# KiCad board FetsAndCrosses.kicad_pcb (continued)
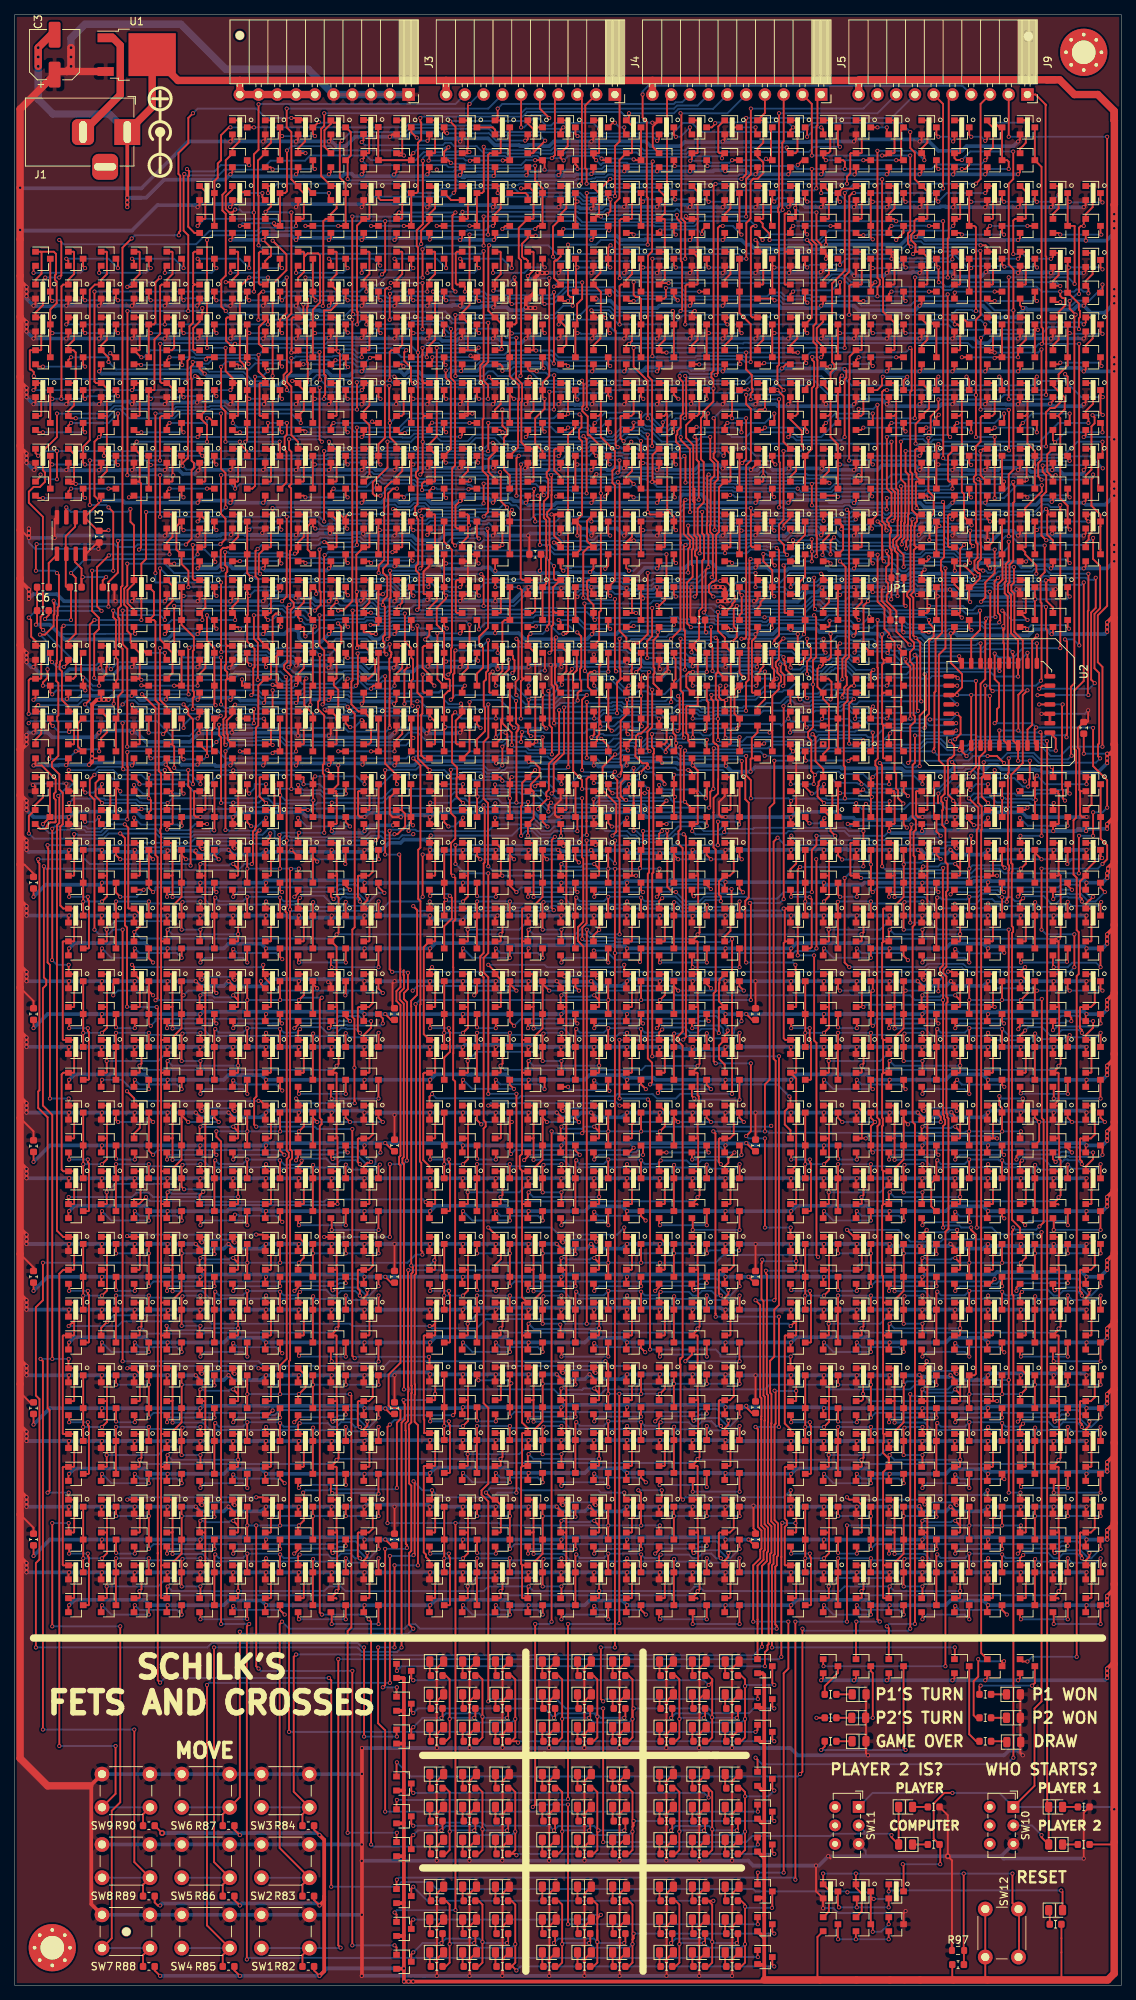
[diagram p0: board, top side]
## Routing (per net, layer and track width the routed paths; a pad name or vN(x,y) marks a point on that pad's centre or on a via; arc(x,y) is an arc through that point) (continued)
GND: length 4842.9
  Top w0.25: 21.31,161.61 21.34,161.58 ; 21.31,161.61 21.31,161.32 21.38,161.24 21.38,157.24 21.31,157.16 20.61,157.16 20.61,156.47 v1(20.64,156.44) ; 21.31,161.61 Q334.2 ; 21.31,161.61 21.38,161.69 21.38,164.1 20.99,164.49 20.99,164.64 v1(20.43,165.21) 20.59,165.37 Q864.2 ; 141.32,161.61 141.35,161.58 ; 141.32,161.61 Q980.2 ; 141.32,161.61 141.32,161.32 141.4,161.24 141.4,157.24 141.32,157.16 140.62,157.16 140.62,156.24 v1(140.65,156.21) ; 119.1,161.61 119.13,161.58 ; 119.1,161.61 Q1024.2 ; 119.1,161.61 119.1,161.32 119.17,161.24 119.17,157.24 119.1,157.16 118.4,157.16 118.43,157.13 v1(118.43,156.21) ; 70.2,161.61 70.23,161.58 ; 70.2,161.61 70.28,161.53 70.28,157.94 69.5,157.16 v1(69.5,155.61) ; 70.2,161.61 Q1018.2 ; 70.2,161.61 69.88,161.93 69.88,162.53 71.09,163.73 71.09,164.75 70.24,165.6 v1(69.61,165.6) 69.34,165.88 69.34,165.89 Q1068.2 ; 92.43,161.61 92.46,161.58 ; 92.43,161.61 92.43,161.32 92.5,161.24 92.5,157.24 92.43,157.16 91.73,157.16 91.73,156.24 v1(91.76,156.21) ; 92.43,161.61 92.5,161.69 92.5,164.42 v1(91.82,165.1) 91.73,165.19 Q338.2 ; 92.43,161.61 Q942.2 ; 33.92,94.93 33.92,95.77 v1(34.04,95.88) ; 47.26,94.93 47.26,95.77 v1(47.37,95.88) ; 11.72,94.93 11.72,95.79 v1(11.81,95.88) ; Q41.2 7.27,86.9 v1(7.37,86.99) ; Q9.2 20.59,86.88 v1(20.7,86.99) ; Q19.2 33.92,86.88 v1(34.04,86.99) ; Q25.2 47.26,86.88 v1(47.37,86.99) ; v1(25.14,95.88) 25.04,95.77 25.04,94.93 ; 82.82,94.93 82.82,95.77 v1(82.93,95.88) ; 96.16,94.93 96.16,95.77 v1(96.27,95.88) ; 60.61,94.93 60.61,95.79 v1(60.71,95.88) ; Q81.2 56.17,86.9 v1(56.26,86.99) ; Q51.2 69.48,86.88 v1(69.6,86.99) ; Q61.2 82.82,86.88 v1(82.93,86.99) ; Q67.2 96.16,86.88 v1(96.27,86.99) ; v1(74.04,95.88) 73.93,95.77 73.93,94.93 ; 145.05,94.93 145.05,95.77 v1(145.16,95.88) ; 109.51,94.93 109.51,95.79 v1(109.6,95.88) ; Q121.2 105.06,86.9 v1(105.16,86.99) ; Q93.2 118.38,86.88 v1(118.49,86.99) ; Q103.2 131.72,86.88 v1(131.83,86.99) ; Q109.2 145.05,86.88 v1(145.16,86.99) ; v1(122.93,95.88) 122.83,95.77 122.83,94.93 ; 47.26,77.15 47.26,77.99 v1(47.37,78.1) ; 11.72,77.15 11.72,78.01 v1(11.81,78.1) ; Q129.2 7.27,69.12 v1(7.37,69.21) ; Q135.2 20.59,69.1 v1(20.7,69.21) ; Q145.2 33.92,69.1 v1(34.04,69.21) ; Q151.2 47.26,69.1 v1(47.37,69.21) ; v1(25.14,78.1) 25.04,77.99 25.04,77.15 ; Q181.2 82.82,78.12 v1(82.93,78.23) ; Q199.2 96.16,78.12 v1(96.27,78.23) ; Q165.2 60.61,78.13 v1(60.71,78.23) ; Q169.2 56.17,69.24 v1(56.26,69.34) ; Q177.2 69.48,69.23 v1(69.6,69.34) ; Q187.2 82.82,69.23 v1(82.93,69.34) ; Q193.2 96.16,69.23 v1(96.27,69.34) ; v1(74.04,78.23) 73.93,78.12 Q203.2 ; 131.72,77.15 131.72,77.99 v1(131.83,78.1) ; 145.05,77.15 145.05,77.99 v1(145.16,78.1) ; 109.51,77.15 109.51,78.01 v1(109.6,78.1) ; Q209.2 105.06,69.12 v1(105.16,69.21) ; Q219.2 118.38,69.1 v1(118.49,69.21) ; Q229.2 131.72,69.1 v1(131.83,69.21) ; Q235.2 145.05,69.1 v1(145.16,69.21) ; v1(122.93,78.1) 122.83,77.99 122.83,77.15 ; Q265.2 33.92,60.21 v1(34.04,60.32) ; Q283.2 47.26,60.21 v1(47.37,60.32) ; Q213.2 11.72,60.23 v1(11.81,60.32) ; Q249.2 7.27,51.34 v1(7.37,51.43) ; Q261.2 20.59,51.32 v1(20.7,51.43) ; Q271.2 33.92,51.32 v1(34.04,51.43) ; Q277.2 47.26,51.32 v1(47.37,51.43) ; v1(25.14,60.32) 25.04,60.21 Q287.2 ; Q307.2 82.82,60.21 v1(82.93,60.32) ; Q325.2 96.16,60.21 v1(96.27,60.32) ; Q253.2 60.61,60.23 v1(60.71,60.32) ; Q289.2 56.17,51.34 v1(56.26,51.43) ; Q303.2 69.48,51.32 v1(69.6,51.43) ; Q313.2 82.82,51.32 v1(82.93,51.43) ; Q319.2 96.16,51.32 v1(96.27,51.43) ; v1(74.04,60.32) 73.93,60.21 Q329.2 ; Q349.2 131.72,60.21 v1(131.83,60.32) ; Q367.2 145.05,60.21 v1(145.16,60.32) ; Q293.2 109.51,60.23 v1(109.6,60.32) ; Q297.2 105.06,51.34 v1(105.16,51.43) ; Q345.2 118.38,51.32 v1(118.49,51.43) ; Q355.2 131.72,51.32 v1(131.83,51.43) ; Q361.2 145.05,51.32 v1(145.16,51.43) ; v1(122.93,60.32) 122.83,60.21 Q371.2 ; Q993.2 82.82,149.11 v1(82.93,149.22) ; Q1145.2 60.61,149.13 v1(60.71,149.22) ; 56.17,139.38 56.17,140.24 v1(56.26,140.33) ; 69.48,139.38 69.48,140.22 v1(69.6,140.33) ; 82.82,139.38 82.82,140.22 v1(82.93,140.33) ; 96.16,139.38 96.16,140.22 v1(96.27,140.33) ; v1(74.04,149.22) 73.93,149.11 Q1015.2 ; Q1053.2 145.05,149.11 v1(145.16,149.22) ; Q1185.2 109.51,149.13 v1(109.6,149.22) ; 105.06,139.38 105.06,140.24 v1(105.16,140.33) ; 118.38,139.38 118.38,140.22 v1(118.49,140.33) ; 131.72,139.38 131.72,140.22 v1(131.83,140.33) ; 145.05,139.38 145.05,140.22 v1(145.16,140.33) ; v1(122.93,149.22) 122.83,149.11 Q1057.2 ; 33.92,130.49 33.92,131.33 v1(34.04,131.44) ; 47.26,130.49 47.26,131.33 v1(47.37,131.44) ; 11.72,130.49 11.72,131.35 v1(11.81,131.44) ; Q1229.2 7.27,122.46 v1(7.37,122.55) ; Q1073.2 20.59,122.44 v1(20.7,122.55) ; Q1083.2 33.92,122.44 v1(34.04,122.55) ; Q1089.2 47.26,122.44 v1(47.37,122.55) ; v1(25.14,131.44) 25.04,131.33 25.04,130.49 ; 82.82,130.49 82.82,131.33 v1(82.93,131.44) ; 96.16,130.49 96.16,131.33 v1(96.27,131.44) ; 60.61,130.49 60.61,131.35 v1(60.71,131.44) ; Q1269.2 56.17,122.46 v1(56.26,122.55) ; Q1115.2 69.48,122.44 v1(69.6,122.55) ; Q1125.2 82.82,122.44 v1(82.93,122.55) ; Q1131.2 96.16,122.44 v1(96.27,122.55) ; v1(74.04,131.44) 73.93,131.33 73.93,130.49 ; 131.72,130.49 131.72,131.33 v1(131.83,131.44) ; 145.05,130.49 145.05,131.33 v1(145.16,131.44) ; 109.51,130.49 109.51,131.35 v1(109.6,131.44) ; Q1277.2 105.06,122.46 v1(105.16,122.55) ; Q1157.2 118.38,122.44 v1(118.49,122.55) ; Q1167.2 131.72,122.44 v1(131.83,122.55) ; Q1173.2 145.05,122.44 v1(145.16,122.55) ; v1(122.93,131.44) 122.83,131.33 122.83,130.49 ; 33.92,112.71 33.92,113.55 v1(34.04,113.66) ; 47.26,112.71 47.26,113.55 v1(47.37,113.66) ; 11.72,112.71 11.72,113.57 v1(11.81,113.66) ; Q1317.2 7.27,104.68 v1(7.37,104.77) ; Q1199.2 20.59,104.66 v1(20.7,104.77) ; Q1209.2 33.92,104.66 v1(34.04,104.77) ; Q1215.2 47.26,104.66 v1(47.37,104.77) ; v1(25.14,113.66) 25.04,113.55 25.04,112.71 ; 96.16,112.71 96.16,113.55 v1(96.27,113.66) ; 60.61,112.71 60.61,113.57 v1(60.71,113.66) ; Q1368.2 56.17,104.68 v1(56.26,104.77) ; Q1241.2 69.48,104.66 v1(69.6,104.77) ; Q1251.2 82.82,104.66 v1(82.93,104.77) ; Q1257.2 96.16,104.66 v1(96.27,104.77) ; v1(74.04,113.66) 73.93,113.55 73.93,112.71 ; 131.72,112.71 131.72,113.55 v1(131.83,113.66) ; 145.05,112.71 145.05,113.55 v1(145.16,113.66) ; 109.51,112.71 109.51,113.57 v1(109.6,113.66) ; Q1376.2 105.06,104.68 v1(105.16,104.77) ; Q1283.2 118.38,104.66 v1(118.49,104.77) ; Q1293.2 131.72,104.66 v1(131.83,104.77) ; Q1299.2 145.05,104.66 v1(145.16,104.77) ; v1(122.93,113.66) 122.83,113.55 122.83,112.71 ; v1(64.77,200.66) 65.04,200.93 Q557.2 ; Q1343.2 127.27,41.54 v1(127,41.27) ; v1(29.21,236.22) 29.48,236.49 Q539.2 ; R83.2 40.54,11.53 v1(41.28,10.79) ; Q717.2 140.6,183.03 v1(140.43,182.86) ; v1(24.74,165.21) 24.84,165.21 25.04,165.4 Q860.2 ; Q569.2 47.26,200.93 v1(46.99,200.66) ; Q512.2 69.48,245.18 v1(69.3,244.99) ; v1(99.38,95.88) 100.17,95.1 C27.2 ; v1(33.66,182.88) 33.92,183.15 Q911.2 ; v1(33.66,200.66) 33.92,200.93 Q433.2 ; v1(56.2,236.28) 56.15,236.34 Q543.2 ; v1(118.11,41.27) 118.38,41.54 Q1340.2 ; v1(99.38,60.32) 100.17,59.54 C18.2 100.5,59.54 100.65,59.69 ; Q876.2 7.25,165.4 6.99,165.14 v1(6.97,165.14) ; v1(144.79,166.69) 144.78,166.69 C5.2 ; Q1066.2 65.06,165.4 65.08,165.38 v1(65.23,165.38) ; v1(122.55,245.11) 122.83,245.38 Q421.2 ; 105.05,219.12 Q677.2 104.46,219.39 v1(103.9,218.83) ; v1(83.82,113.35) 83.19,112.71 82.82,112.71 ; Q938.2 65.06,191.48 v1(65.09,191.45) ; Q825.2 100.6,192.07 100.41,191.89 v1(100.33,191.89) ; Q969.2 47.26,149.09 v1(47.39,149.22) ; 42.81,174.94 42.81,174.26 v1(42.51,173.96) ; v1(131.83,149.27) 131.72,149.16 Q1035.2 ; U2.22 v1(129.54,174.62) ; 99.82,166.13 99.66,165.97 v1(99.66,164.25) ; 99.82,166.13 99.82,168.79 100.6,169.56 Q1378.2 ; 99.82,166.13 99.9,166.06 Q1383.2 ; Q831.2 118.38,218.71 v1(118.11,218.44) ; v1(91.44,236.22) 91.71,236.49 Q665.2 ; Q773.2 100.6,183.12 v1(100.32,182.85) 100.32,182.43 99.84,181.95 99.84,176.58 99.83,176.56 99.83,175.03 99.92,174.94 100.62,174.94 ; v1(12.69,196.94) 12.6,196.85 C7.2 11.27,196.85 9.45,198.67 11.43,200.66 v1(11.43,200.94) ; Q515.2 113.94,245.28 v1(113.74,245.09) ; 145.73,19.21 R92.2 148.59,19.05 148.91,19.37 ; v1(144.78,218.44) 145.05,218.71 Q689.2 ; v1(73.32,182.42) 73.17,182.27 73.17,178.73 73.24,178.66 73.24,178.39 73.16,178.31 73.16,176.2 73.48,175.88 73.48,175.42 73.95,174.94 ; 60.59,210.5 60.59,209.87 v1(60.33,209.6) ; v1(47.37,156.21) 47.28,156.31 47.28,157.16 ; v1(113.67,41.27) 113.94,41.54 Q1345.2 ; v1(29.21,173.99) 29.48,174.26 29.48,174.94 ; C20.2 v1(2.54,58.1) ; v1(78.11,200.66) 78.38,200.93 Q801.2 ; 16.14,174.94 15.84,174.64 v1(15.84,174.52) ; v1(30.48,1.27) 29.74,2.01 R85.2 ; v1(142.24,160.34) 141.97,160.61 141.97,161.78 141.85,161.9 141.85,173.28 v1(141.92,173.35) ; v1(78.11,236.22) 78.38,236.49 Q705.2 ; v1(51.35,245.08) 51.37,245.08 51.7,245.41 Q500.2 ; 113.94,0.8 114.01,0.73 ; 25.04,174.94 25.04,174.26 v1(24.76,173.99) ; v1(135.89,218.44) 136.16,218.71 Q656.2 ; Q439.2 29.48,200.93 v1(29.21,200.66) ; v1(96.08,156.08) 96.17,156.17 96.17,157.16 ; R96.2 141.76,0.79 ; 117.68,179.39 117.68,178.96 117.48,178.75 117.48,174.74 ; 117.68,179.39 Q1361.2 ; 117.68,179.39 117.46,179.61 v1(117.46,182.84) ; Q781.2 87.27,183.3 v1(87.08,183.11) 87.08,182.61 86.51,182.04 86.51,178.41 86.63,178.28 86.63,177.57 86.51,177.44 86.51,176.18 87.28,175.41 87.28,174.94 ; C16.2 50.97,95.1 v1(50.19,95.88) ; 117.68,170.5 117.48,170.7 117.48,174.74 ; 117.68,170.5 Q1354.2 ; 117.68,170.5 117.6,170.42 117.6,166.13 117.68,166.06 Q1359.2 ; C21.2 93.5,183.24 v1(93.63,183.11) ; C19.2 50.97,59.54 v1(50.19,60.32) ; v1(145.1,156.21) 145.1,157.13 145.07,157.16 ; 33.92,174.94 33.92,173.75 v1(33.75,173.57) ; v1(104.78,245.11) 105.05,245.38 Q502.2 ; Q729.2 127.27,191.5 v1(127.32,191.45) ; 33.92,77.15 34.29,77.15 v1(34.92,77.79) ; v1(55.88,245.11) 56.15,245.38 Q506.2 ; v1(46.99,245.11) 47.26,245.38 Q514.2 ; v1(87,245.53) 87.27,245.79 Q507.2 ; v1(42.55,191.77) 42.81,192.04 Q899.2 ; v1(91.44,227.33) 91.71,227.6 91.71,228.28 ; v1(51.44,192.05) 51.68,192.05 51.7,192.07 Q891.2 ; C15.2 51.29,112.88 v1(50.19,113.99) ; Q881.2 38.37,245.38 v1(38.1,245.11) ; v1(78.2,218.44) 78.38,218.61 Q709.2 ; C14.2 50.92,77.32 v1(50.19,78.05) ; v1(112.39,218.76) 112.63,218.53 112.63,217.57 112.39,217.34 v1(112.39,209.55) ; v1(60.29,245.03) 60.59,245.34 Q535.2 ; v1(82.55,245.53) 82.82,245.8 Q530.2 ; Q1011.2 96.16,149.19 v1(96.27,149.3) ; Q531.2 38.37,236.49 v1(38.1,236.22) ; v1(64.89,236.22) 65.04,236.37 Q493.2 ; Q639.2 136.16,236.49 v1(135.89,236.22) ; Q873.2 2.81,165.37 v1(2.54,165.1) 3.66,165.1 5.54,163.22 5.54,161.5 5.3,161.26 5.3,160.68 5.54,160.44 5.54,157.45 5.47,157.39 4.8,157.39 4.41,157 4.41,156.87 4.05,156.51 3.46,156.51 2.81,157.16 2.76,157.16 ; Q1062.2 82.84,165.13 v1(82.87,165.1) ; C9.2 100.19,112.88 v1(99.08,113.98) ; v1(50.19,131.44) 50.97,130.66 C12.2 ; Q1105.2 11.72,149.13 v1(11.81,149.22) ; 33.92,139.38 33.92,140.22 v1(34.04,140.33) ; 43.53,161.61 43.56,161.58 ; 43.53,161.61 43.53,161.32 43.61,161.24 43.61,157.24 43.53,157.16 42.83,157.16 42.83,156.31 v1(42.93,156.21) ; 43.53,161.61 Q378.2 42.88,161.61 43.81,162.54 v1(43.81,165.1) ; Q428.2 136.16,245.38 v1(135.89,245.11) ; C26.2 v1(2.54,147.32) ; 51.7,174.94 51.7,173.78 v1(51.37,173.44) ; v1(145.06,236.13) 145.05,236.14 Q653.2 ; v1(95.89,236.22) 96.16,236.49 Q668.2 ; v1(87,218.44) 87.27,218.71 Q648.2 ; v1(41.28,1.27) 40.54,2.01 R82.2 ; v1(25.72,218.12) 25.04,218.8 Q445.2 25.04,219.18 24.97,219.11 ; Q919.2 25.04,183.15 v1(24.76,182.88) ; v1(140.45,200.78) 140.6,200.93 Q721.2 ; Q777.2 100.6,200.93 v1(100.33,200.66) ; v1(131.44,200.66) 131.72,200.93 Q680.2 ; 20.59,139.38 20.59,140.22 v1(20.7,140.33) ; v1(42.56,165.18) 42.59,165.18 42.81,165.4 Q837.2 ; Q951.2 33.92,149.11 v1(34.04,149.22) ; 60.67,197.01 60.67,197.09 Q936.2 59.9,197.17 59.69,197.38 59.69,200.26 v1(60.33,200.89) 60.52,200.89 60.59,200.96 Q575.2 ; Q766.2 145.05,200.93 v1(144.78,200.66) ; 2.81,174.94 2.81,174.26 v1(2.54,173.99) ; Q518.2 118.38,245.38 v1(118.11,245.11) ; v1(122.55,227.33) 122.83,227.6 122.83,228.28 ; Q769.2 140.6,192.04 v1(140.33,191.77) ; Q1353.2 109.49,166.64 110.27,167.42 110.27,170.42 110.19,170.5 ; R88.2 18.95,2.01 v1(19.68,1.27) ; Q645.2 109.86,236.81 v1(109.86,235.58) ; Q660.2 131.72,218.71 v1(131.44,218.44) ; v1(46.99,218.44) 47.26,218.71 Q587.2 ; SW10.1 138.11,26.99 138.11,37.46 139.06,38.42 v1(139.06,101.92) ; v1(87.66,165.45) 87.27,165.85 Q1385.2 ; 118.38,0.87 118.53,0.73 ; 110.19,170.5 Q1348.2 ; 110.19,170.5 110.27,170.58 110.27,173.33 109.49,174.1 109.49,174.94 108.71,175.72 108.71,178.15 v1(109.08,178.51) 109.26,178.51 109.49,178.74 Q1355.2 110.19,179.39 110.53,179.73 110.53,182.45 110.49,182.49 v1(110.49,182.88) ; Q793.2 78.38,183.06 v1(78.17,182.86) ; v1(29.21,165.1) 29.48,165.37 Q849.2 ; v1(82.55,218.44) 82.82,218.71 Q670.2 ; v1(122.87,156.21) 122.87,157.13 122.84,157.16 ; Q907.2 33.92,192.04 v1(33.66,191.77) ; v1(11.43,200.94) 11.68,200.94 11.7,200.96 Q451.2 ; v1(11.43,200.94) 10.8,201.58 10.8,208.91 v1(11.43,209.55) 11.7,209.82 11.7,210.5 ; v1(130.29,102.55) 130.29,156.39 130.51,156.61 130.51,159.36 v1(129.23,160.64) ; v1(113.67,200.61) 113.94,200.88 Q745.2 ; v1(46.99,236.22) 47.26,236.49 Q523.2 ; v1(65.07,182.99) 65.06,183.01 Q420.2 ; 7.27,139.38 7.27,140.24 v1(7.37,140.33) ; 117.48,174.74 117.68,174.94 118.38,174.94 ; v1(10.48,166.05) 10.48,166.06 Q872.2 ; Q657.2 127.27,218.71 v1(127,218.44) ; Q834.2 122.83,218.71 v1(122.55,218.44) ; v1(38.1,165.1) 38.37,165.37 Q848.2 ; v1(99.08,78.42) 99.06,78.42 99.06,78.24 99.86,77.44 C28.2 ; v1(131.44,41.27) 131.72,41.54 Q1342.2 ; Q426.2 131.72,245.38 v1(131.44,245.11) ; Q534.2 42.81,236.49 v1(42.55,236.22) ; v1(69.22,200.66) 69.48,200.93 Q551.2 ; v1(51.44,165.1) 51.7,165.37 Q836.2 ; Q1341.2 136.16,41.54 v1(135.89,41.27) ; v1(95.89,218.44) 96.16,218.71 Q713.2 ; v1(47.1,165.21) 47.26,165.37 Q840.2 ; C17.2 v1(2.54,75.88) ; v1(136.52,227.01) 136.16,227.38 136.16,228.28 ; 11.7,174.94 11.7,174.26 v1(11.43,173.99) ; 122.55,237.02 122.7,237.17 Q615.2 122.56,237.17 v1(122.02,236.64) ; v1(25.14,149.22) 25.04,149.11 Q973.2 ; Q895.2 51.7,183.15 v1(51.44,182.88) ; Q733.2 127.27,200.93 v1(127,200.66) ; 120.8,0.79 120.52,0.5 ; v1(42.55,245.11) 42.81,245.38 Q878.2 ; v1(73.98,155.57) 73.98,157.13 73.95,157.16 ; C24.2 120.17,183.31 v1(120.36,183.11) ; Q737.2 113.94,182.99 v1(113.6,182.66) ; v1(51.23,157) 51.49,157 51.66,157.16 ; v1(47.37,140.33) 47.26,140.22 47.26,139.38 ; 109.06,0.73 108.71,1.07 108.71,6.53 Q1394.2 ; v1(132.08,191.77) 131.72,192.13 Q686.2 ; Q513.2 91.71,245.79 v1(91.45,245.53) ; 145.05,210.5 145.05,209.82 v1(144.78,209.55) ; 20.59,174.94 20.59,174.15 v1(20.47,174.02) ; v1(78.1,245.15) 78.38,245.42 Q527.2 ; v1(144.78,227.33) 145.05,227.6 Q683.2 ; 7.25,174.94 7.25,174.32 v1(7.06,174.13) ; Q725.2 127.27,183.19 127.06,182.98 v1(126.77,182.98) 126.77,178.98 128.3,177.45 128.3,175.68 127.25,174.62 U2.16 v1(127.64,174.62) ; C11.2 v1(2.54,93.98) ; v1(16.3,182.91) 16.14,183.07 Q1364.2 ; v1(46.99,209.55) 47.26,209.82 47.26,210.5 ; v1(127.1,245.09) 127.27,245.27 Q422.2 ; Q822.2 105.05,200.93 v1(104.78,200.66) ; Q686.2 131.45,192.72 ; Q686.2 131.72,192.61 131.58,192.48 ; Q1344.2 109.49,41.54 v1(109.22,41.27) ; v1(24.76,191.77) 25.04,192.04 Q915.2 ; 127.09,0.73 126.97,0.84 C1.2 ; C13.2 v1(2.54,111.44) ; Q610.2 69.48,233.41 69.22,233.68 69,233.68 68.71,233.97 68.71,235.71 69.48,236.49 Q496.2 69.86,236.8 v1(70.54,236.8) ; v1(73.66,245.01) 73.93,245.28 Q501.2 ; Q492.2 33.92,233.38 34.45,233.9 34.51,233.9 34.7,234.09 34.7,235.17 v1(33.66,236.22) 33.92,236.49 Q542.2 ; v1(41.28,20.32) 40.54,21.06 R84.2 ; v1(104.78,209.55) 105.05,209.82 105.05,210.5 ; 96.16,228.28 96.16,227.6 v1(95.89,227.33) ; C10.2 v1(2.54,129.54) ; v1(100.33,245.11) 100.6,245.38 Q522.2 ; R86.2 29.74,11.53 v1(30.48,10.79) ; Q538.2 65.04,245.07 v1(64.86,244.89) ; v1(78.42,165.1) 78.39,165.13 Q1060.2 ; v1(132.05,174.51) 132.08,174.49 U2.24 ; v1(71.12,191.45) 71.27,191.6 C22.2 ; v1(29.21,245.11) 29.48,245.38 Q673.2 ; v1(87,191.77) 87.27,192.04 Q785.2 ; Q852.2 33.92,165.37 v1(33.66,165.1) ; v1(78.77,228.28) 78.77,228.28 78.38,228.28 ; v1(87,200.66) 87.27,200.93 Q789.2 ; v1(127,26.03) 125.91,26.03 124.46,24.59 124.46,19.84 R94.2 125.35,18.95 v1(125.35,16.38) ; v1(42.55,182.88) 42.81,183.15 Q903.2 ; v1(2.86,184.15) 3.02,184.31 C8.2 ; Q340.2 96.17,165.19 v1(96.31,165.05) ; C8.2 3.02,185.58 ; C8.2 C6.2 ; C30.2 99.87,130.66 v1(99.08,131.44) ; v1(11.43,218.44) 11.7,218.71 Q469.2 ; Q563.2 60.59,218.62 v1(60.45,218.47) ; v1(30.48,20.32) 29.74,21.06 R87.2 ; 47.26,174.94 47.26,173.72 v1(46.99,173.45) ; Q861.2 16.14,165.37 v1(15.88,165.1) ; v1(113.67,191.77) 113.94,192.04 Q741.2 ; v1(77.91,191.27) 78.38,191.74 Q797.2 ; v1(105.09,183.48) 105.05,183.53 Q1379.2 ; 25.04,210.5 25.04,209.82 v1(24.76,209.55) ; v1(138.75,173.35) U2.1 ; 25.05,157.16 26.03,157.16 v1(26.04,157.16) ; R90.2 18.96,21.59 v2(19.96,20.59) ; v1(19.68,10.79) 19.37,10.79 18.95,11.21 R89.2 18.95,11.53 ; v1(144.78,191.77) 145.05,192.04 Q650.2 ; v1(109.22,245.11) 109.49,245.38 Q508.2 ; 147.95,166.69 v1(147.95,165.42) ; v1(120.27,16.38) 120.38,16.27 Q1395.3 ; Q546.2 60.59,236.49 v1(60.33,236.22) ; v1(38.11,173.57) 38.37,173.84 38.37,174.94 ; 131.72,94.93 132.08,94.93 v1(132.72,95.57) ; Q526.2 51.7,236.49 v1(51.44,236.22) ; 109.49,228.28 109.49,227.6 v1(109.22,227.33) ; 131.74,0.73 131.44,1.02 SW12.1 SW12.1 ; v1(96.23,245.53) 96.16,245.6 Q519.2 ; v1(24.76,200.66) 25.04,200.93 Q457.2
  Top w0.5: 101.51,11.84 101.51,17.24 ; 101.51,11.84 100.69,11.84 Q1338.2 ; 101.51,11.84 101.51,9.43 ; 101.51,17.24 101.46,17.24 Q1328.2 ; 101.51,17.24 101.51,22 ; Q1326.2 101.28,42.23 101.51,42 101.51,37.56 ; Q1335.2 52.66,6.67 52.7,6.72 ; 147.95,141.29 v1(147.95,141.6) ; 147.95,141.29 v1(147.95,142.24) 148.91,143.19 148.91,143.51 ; 147.95,141.29 v1(147.95,140.97) ; v1(147.95,156.53) v1(147.95,157.16) 148.59,157.8 148.91,157.8 ; 148.91,1.59 147.82,0.5 v1(52.7,0.5) v1(52.7,2.27) ; 101.51,37.56 101.51,32.93 ; 101.51,37.56 100.83,37.56 Q1324.2 ; 101.51,0.73 101.51,2.77 ; 101.51,2.77 100.69,2.77 Q1334.2 ; 101.51,2.77 101.51,6.44 ; 52.7,6.72 v1(52.7,2.27) ; 52.7,6.72 52.7,11.16 ; v1(52.7,2.27) 52.66,2.22 51.7,2.22 ; 147.95,69.55 v1(147.98,69.53) ; 147.95,69.55 v1(147.95,70.17) ; 147.95,69.55 v1(147.95,70.8) 148.91,71.75 148.91,73.41 ; v1(147.95,78.74) v1(147.95,79.38) v1(147.95,80.01) 148.59,80.64 148.91,80.64 ; 41.91,12.06 41.91,1.9 v1(41.28,1.27) ; 41.91,12.06 41.91,11.43 v1(41.28,10.79) ; 41.91,12.06 41.91,19.68 v1(41.28,20.32) ; 147.95,51.46 v1(147.95,52.7) 148.91,53.66 148.91,54.29 ; 147.95,51.46 v1(147.98,51.43) ; 147.95,51.46 v1(147.95,52.07) ; 52.7,11.16 52.66,11.11 51.7,11.11 ; 52.7,11.16 52.7,17.51 ; 147.95,60.35 v1(147.98,60.32) ; 147.95,60.35 v1(147.95,60.96) ; 147.95,60.35 v1(147.95,61.59) 148.91,62.55 ; v1(147.95,87.63) v1(147.95,88.9) 148.91,89.85 ; 148.91,134.3 v1(147.95,133.35) v1(147.95,132.71) v1(147.95,132.08) ; Q1323.2 52.66,37.15 52.7,37.2 ; v1(147.95,114.3) v1(147.95,115.57) 148.91,116.52 148.91,116.84 ; 148.91,107.63 v1(147.95,106.68) v1(147.95,105.41) ; 101.51,6.44 101.51,9.43 ; 101.51,6.44 101.46,6.44 Q1336.2 ; 101.51,9.43 101.5,9.43 ; 148.91,185.1 148.59,185.1 v1(147.95,184.47) v1(147.95,183.83) v1(147.95,183.2) ; 52.7,21.96 52.66,21.91 Q1329.2 ; 52.7,21.96 52.7,17.51 ; 52.7,21.96 52.7,26.4 ; 148.91,240.98 v1(148.91,239.71) ; 52.7,17.51 52.66,17.46 Q1327.2 ; 52.7,32.75 52.66,32.7 Q1321.2 ; 52.7,32.75 52.7,37.2 ; 52.7,32.75 52.7,26.4 ; 52.7,37.2 52.7,41.54 52.66,41.59 Q1325.2 ; v1(10.48,166.05) 10.48,165.6 ; v1(10.48,166.05) 10.48,165.98 ; v1(10.48,166.05) 10.48,173.35 11.11,173.99 v1(12.7,173.99) ; 10.48,165.6 10.37,165.49 ; 10.48,165.6 v1(10.07,165.19) ; 148.91,43.5 148.59,43.5 v1(147.95,42.86) v1(147.95,41.59) ; Q1322.2 101.01,32.93 101.51,32.93 ; 52.7,26.4 52.66,26.35 Q1331.2 ; 101.51,32.93 101.51,26.44 ; 101.51,26.44 101.15,26.44 Q1332.2 ; 101.51,26.44 101.51,22 ; Q1330.2 101.15,22 101.51,22 ; v1(147.95,123.19) v1(147.95,123.82) v1(147.95,124.46) 148.91,125.41 148.91,126.05 ; v1(148.91,194.94) 148.91,194.29 ; 148.91,99.06 v1(147.95,98.11) v1(147.95,96.84) ; 148.91,167.96 148.91,167.25 148.34,166.69 v1(147.95,166.69) v1(147.95,165.42) ; 148.91,152.08 148.07,151.25 v1(148.07,151.13) 148.07,150.61 v1(147.95,150.5) v1(147.95,149.86) ; J1.1 v1(15.24,240.66)
  Top w1: 30.48,257.81 22.1,257.81 U1.2 18.61,254.19 J1.1 ; 30.48,257.81 30.48,255.9 40.64,255.9 ; 30.48,257.81 58.42,257.81 ; 101.51,0.73 148.05,0.73 148.91,1.59 v1(148.91,23.81) 148.91,157.8 148.93,157.82 148.93,167.93 148.91,167.96 v1(148.91,194.94) v1(148.91,201.61) v1(148.91,202.56) v1(148.91,203.52) v1(148.91,209.23) v1(148.91,220.34) v1(148.91,227.65) 148.91,240.98 148.93,241.01 148.93,252.39 148.91,252.41 ; C3.2 4.92,264 v2(3.18,262.25) v2(3.18,259.71) ; 148.91,252.41 148.91,253.36 ; 148.91,252.41 148.91,253.68 146.69,255.9 143.51,255.9 141.51,257.9 139.79,257.9 ; 139.79,257.9 140.88,257.9 ; 139.79,257.9 114.39,257.9 114.3,257.81 ; 114.3,257.81 114.3,255.9 ; 114.3,257.81 86.36,257.81 ; 58.42,255.9 58.42,257.81 ; 58.42,257.81 86.36,257.81 ; 86.36,255.9 86.36,257.81
  Bottom w0.25: 46.99,173.91 v1(46.99,173.45) ; v1(20.47,174.02) 23.81,174.02 23.93,173.9 ; 33.98,113.99 33.98,113.73 v1(34.04,113.66) ; 117.38,182.46 117.38,182.76 v1(117.46,182.84) ; v1(82.93,60.32) 82.86,60.39 82.86,60.65 ; v1(26.04,157.16) 24.45,157.16 24.13,156.84 24.04,156.76 23.62,156.34 21.12,156.34 21.03,156.44 v1(20.64,156.44) ; v1(144.78,209.55) 148.59,209.55 v1(148.91,209.23) ; v1(82.93,78.23) 82.66,78.5 82.66,78.53 82.68,78.55 ; v1(127.32,191.45) 127.32,191.06 127.34,191.04 127.41,191.04 ; v1(131.83,113.66) 131.76,113.73 131.76,113.99 ; 84.97,218.44 v1(87,218.44) ; v1(34.04,131.44) 33.97,131.51 33.97,131.77 ; 132.08,149.55 131.83,149.29 v1(131.83,149.27) ; v1(69.3,244.99) 74.3,244.99 74.39,244.9 ; 82.86,149.55 82.86,149.29 v1(82.93,149.22) ; 65.09,191.13 v1(65.09,191.45) ; 99.19,78.23 99.19,78.32 v1(99.08,78.42) ; v1(147.95,166.69) v1(144.79,166.69) ; SW11.1 116.2,26.03 v1(127,26.03) 133.35,26.03 SW10.1 148.59,24.13 v1(148.91,23.81) ; 29.57,165.37 29.48,165.37 v1(29.21,165.1) ; 69.64,140.76 69.64,140.38 v1(69.6,140.33) ; 82.96,165.51 82.89,165.51 82.87,165.49 v1(82.87,165.1) ; v1(145.1,156.21) v1(140.65,156.21) v1(122.87,156.21) 122.6,155.94 118.7,155.94 v1(118.43,156.21) 117.79,155.57 112.99,155.57 112.36,156.21 104.78,156.21 104.48,155.91 96.24,155.91 v1(96.08,156.08) 95.76,155.76 92.21,155.76 v1(91.76,156.21) ; v1(34.04,149.22) 33.97,149.29 33.97,149.55 ; v1(131.83,78.1) 131.77,78.17 131.77,78.43 ; v1(34.04,60.32) 33.98,60.39 33.98,60.65 ; v1(73.98,155.57) 73.98,155.38 73.44,154.84 70.27,154.84 v1(69.5,155.61) ; v1(142.24,160.34) 141.29,161.29 138.43,161.29 138.17,161.02 135.71,161.02 135.44,161.29 129.88,161.29 v1(129.23,160.64) ; v1(78.11,236.22) 78.11,236.74 78.16,236.8 ; v1(132.05,174.51) 131.94,174.62 v1(129.54,174.62) v1(127.64,174.62) ; 131.77,60.65 131.77,60.39 v1(131.83,60.32) ; 82.93,113.92 82.87,113.98 ; v1(141.92,173.35) v1(138.75,173.35) ; v1(82.93,131.44) 82.61,131.77 82.55,131.77 ; v1(51.44,236.22) 51.71,236.49 ; v1(42.55,236.22) 42.82,236.49 ; v1(130.29,102.55) 132.33,102.55 133.24,101.64 138.79,101.64 v1(139.06,101.92) ; v1(120.27,16.38) v1(125.35,16.38) ; 39.1,244.84 38.37,244.84 v1(38.1,245.11) ; v1(78.42,165.1) 78.42,165.49 78.44,165.51 78.51,165.51 ; v1(34.04,95.88) 33.97,95.95 33.97,96.21 ; v1(11.43,209.55) v1(24.76,209.55) 35.64,209.55 35.66,209.57 36.59,209.57 36.86,209.83 37.44,209.83 37.59,209.68 41.46,209.68 41.59,209.55 v1(46.99,209.55) 52.45,209.55 52.52,209.48 53.58,209.48 54.1,209.99 57.35,209.99 57.74,209.6 v1(60.33,209.6) ; v1(34.92,77.79) 34.92,78.42 34.92,78.43 ; v1(42.55,245.11) 42.82,244.84 43.45,244.84 ; 99.33,113.94 99.12,113.94 v1(99.08,113.98) ; v1(38.1,165.1) 38.37,165.37 39.01,165.37 ; 82.86,96.21 82.86,95.95 v1(82.93,95.88) ; 112.52,218.44 112.52,218.63 v1(112.39,218.76) ; v1(132.08,191.77) 132.08,192.4 132.16,192.48 ; 47.35,236.49 47.26,236.49 v1(46.99,236.22) ; 83.5,113.99 83.5,113.67 v1(83.82,113.35) ; v1(112.39,209.55) 111.94,209.1 105.86,209.1 105.41,209.55 v1(104.78,209.55) ; 69.44,165.51 69.52,165.51 v1(69.61,165.6) ; 33.93,165.37 v1(33.66,165.1) ; v1(132.72,95.57) 132.72,96.2 ; v1(131.83,131.44) 131.77,131.51 131.77,131.77 ; 6.03,182.88 v1(16.3,182.91) ; v1(20.43,165.21) 20.43,165.63 20.38,165.68 ; 24.3,174.26 24.49,174.26 v1(24.76,173.99) ; 71.12,191.13 v1(71.12,191.45) ; 34.04,78.36 33.97,78.42